# Altium PCB DIO-BNC.PCBDOC (part 2 of 3)
Units mil, origin at the board's own origin, x right, y up, seen from the top; angles counter-clockwise.
Board outline 2496.06 x 3937 mil, 4 copper layers (TopLayer, Internal Plane 2, Internal Plane 1, BottomLayer), stack 65.476 mil thick; 236 components, 132 nets, 813 pads, 428 vias.
Unrouted connection lines stored in the file: 1.
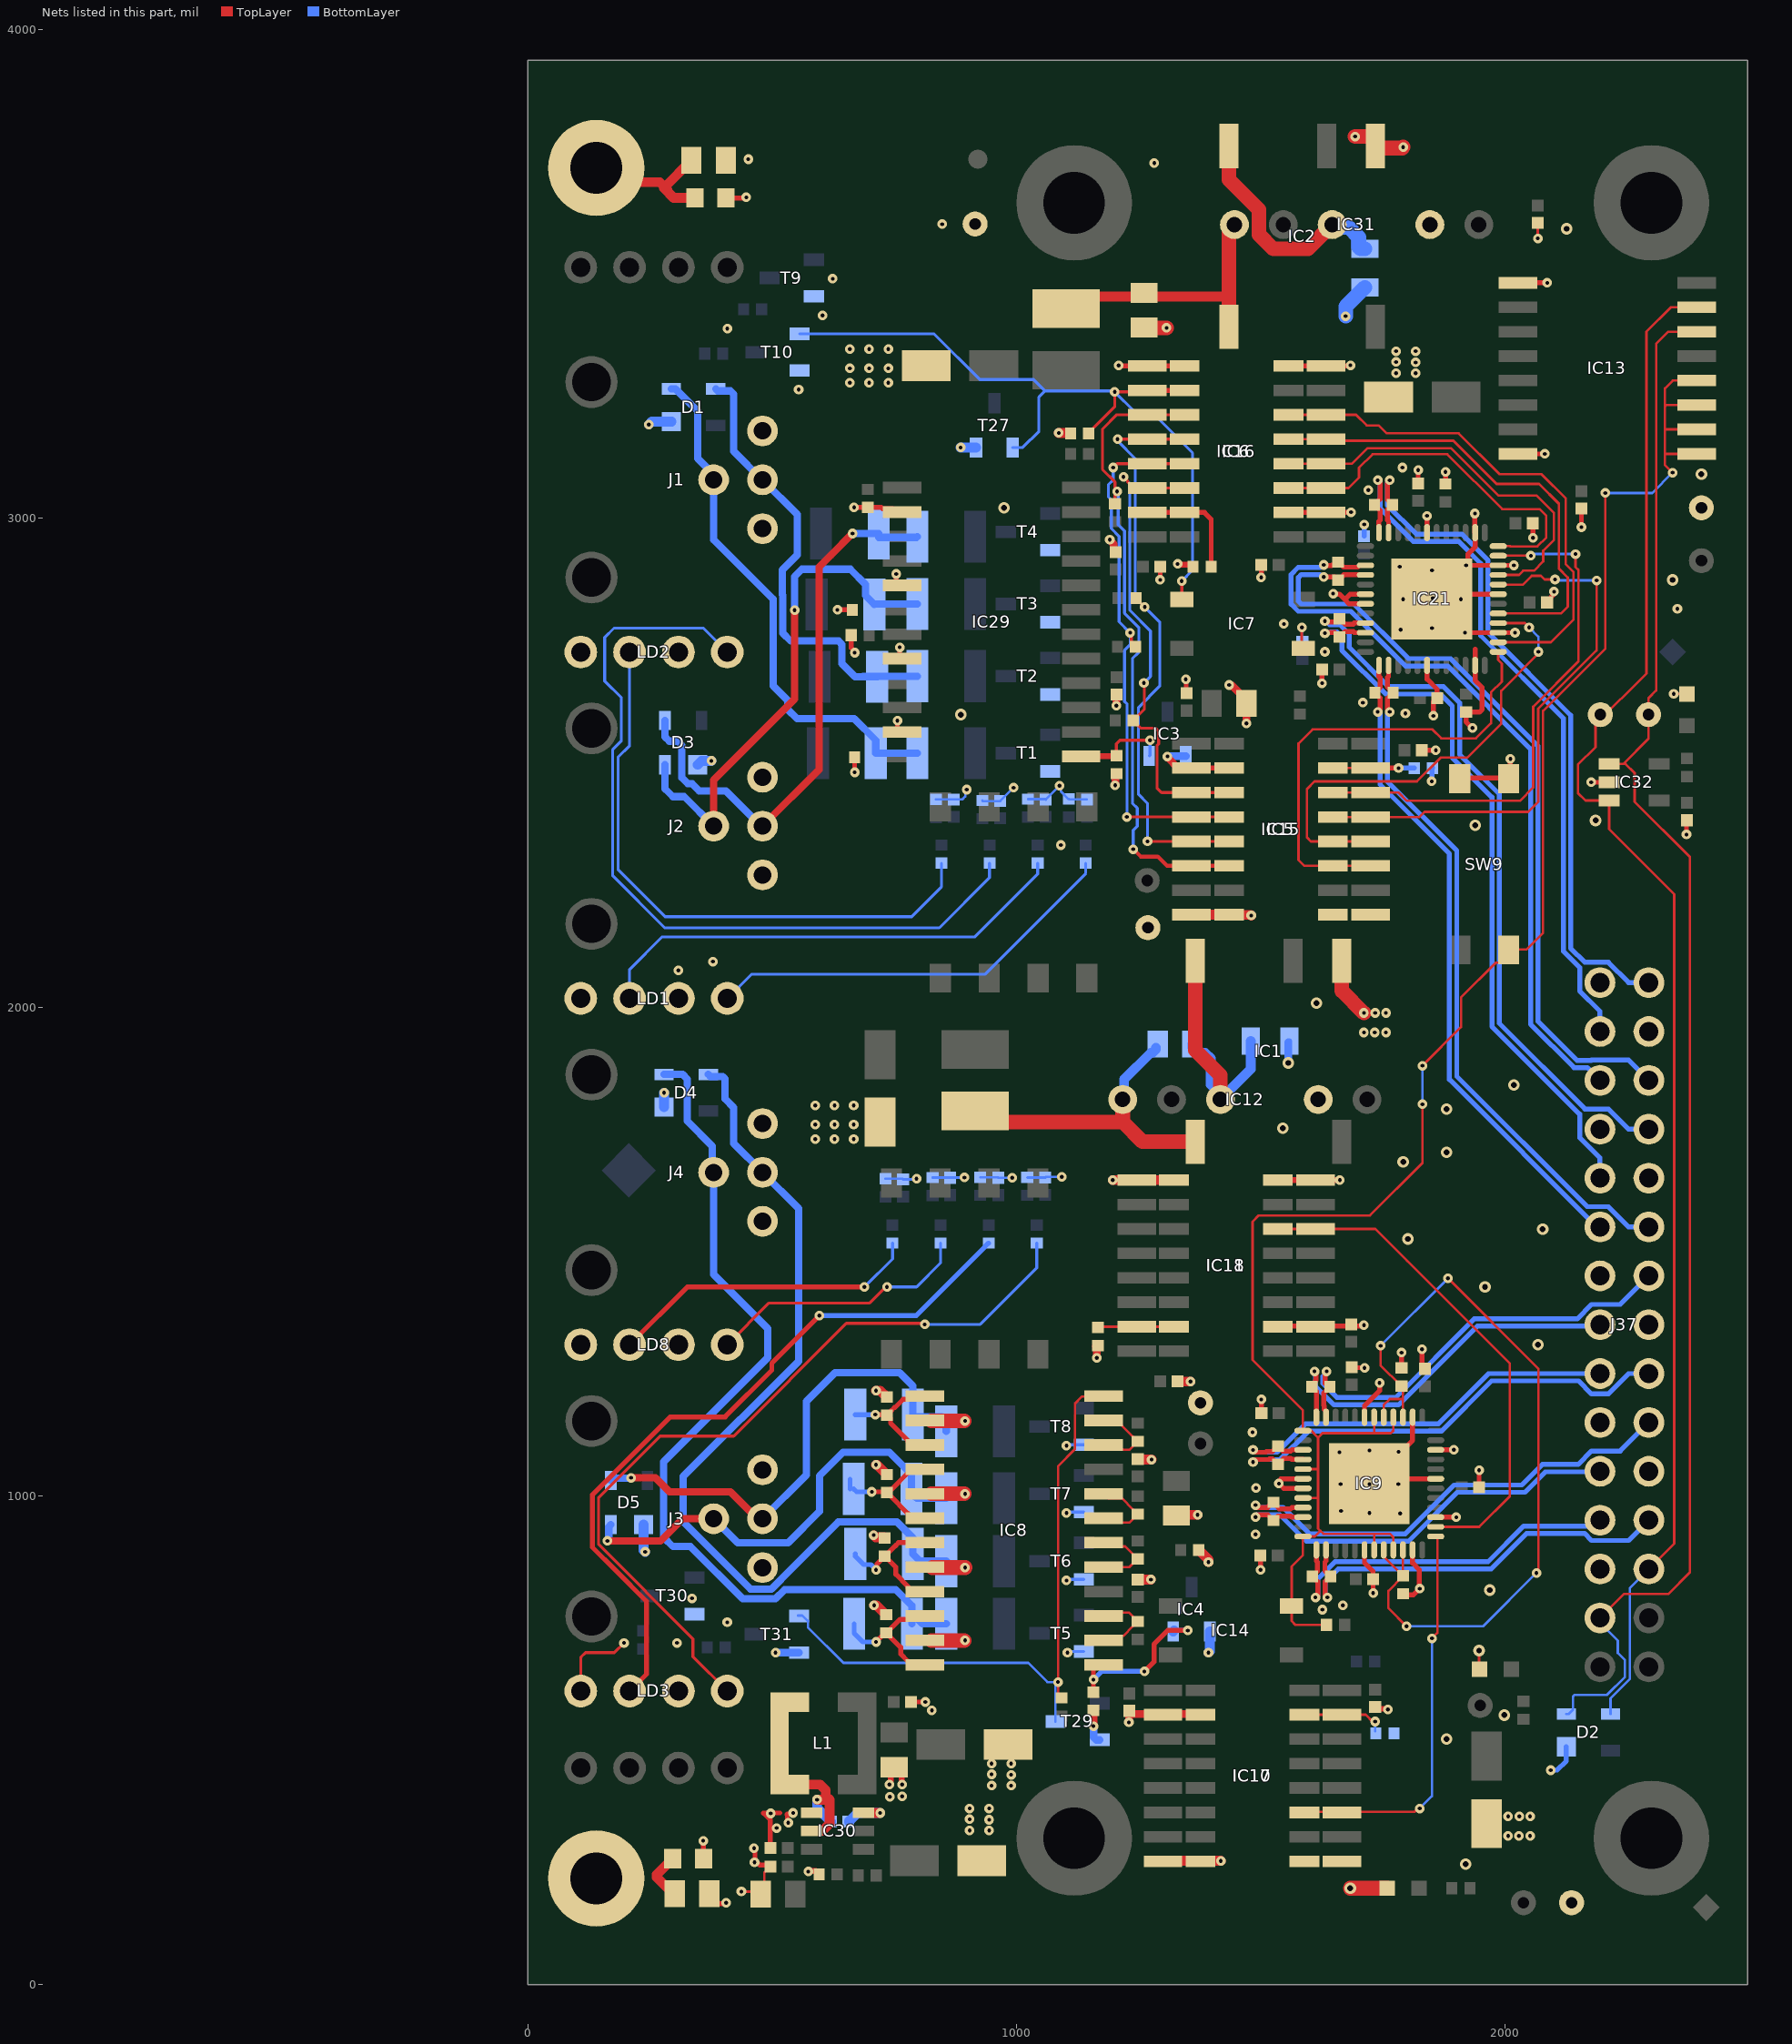
[diagram p4: the nets of this part, all layers, seen from the top]

## Via types
v1: diameter 19.68, hole 7.87, TopLayer to BottomLayer, tented both sides, 351 vias
v2: diameter 19.68, hole 7.87, TopLayer to BottomLayer, 53 vias
v3: diameter 23.62, hole 11.81, TopLayer to BottomLayer, tented both sides, 24 vias

## Nets (pads, with @x,y where several pads share a name; then routed paths per layer and width w, separated by ;. In a path a pad name is that pad's centre, name@x,y a point inside that pad or via, vN(x,y) a via of type N, cw(c..) or ccw(c..) an arc to the next point about the centre after c; other vN are vias at no path point) (continued)
DIR_CTRL2: IC9.1 IC9.5 IC9.8 IC9.12 IC9.19 IC9.21 IC9.40 IC9.42 IC13.9 IC13.10 IC13.11 IC13.12 IC14.3 R55.1 SW9.2 | length 4046.7
  TopLayer w5: IC9.8@1586.17,995.47 1616.53,995.47 1617,995 ; IC9.5@1586.17,1054.53 1615.47,1054.53 1617,1053 ; R55.1@1634.6,735.81 1570.95,735.81 1563.02,743.74 IC14.3@1563.02,774.39 1563.02,855.46 1586.17,878.62 IC9.12@1586.17,916.73 1610.73,916.73 1622,928 ; IC9.19@1731.84,889.17 1731.84,921.84 1732,922 ; IC9.42@1731.84,1160.83 1731.84,1129.84 1730,1128 ; IC9.21@1771.21,889.17 1771.21,914.79 1764,922 1732,922 ; IC9.40@1771.21,1160.83 1771.21,1133.21 1766,1128 1730,1128 ; v1(1830.71,1801.18) 1830.71,1680.73 1723.6,1573.62 1495.69,1573.62 1483,1560.94 1483,1278 1586.17,1174.83 IC9.1@1586.17,1133.27 1602.73,1133.27 1617,1119 ; v1(1830.71,1879.92) 1909.63,1958.84 1909.63,2019.43 1981.11,2090.91 1987.85,2090.91 2007,2110.06 SW9.2@2007,2116.8 2008.31,2118.11 2044.05,2118.11 2077.5,2151.56 2077.5,2606.32 2205,2733.82 v1(2205,3052) ; v1(2342.52,3093.48) 2327,3109 2327,3134 ; IC13.9@2392.07,3132 2329,3132 2327,3134 ; IC13.10@2392.07,3182 2328,3182 2327,3183 ; IC13.11@2392.07,3232 2330,3232 2327,3229 ; IC13.12@2392.07,3282 2343,3282 2327,3266 2327,3229 ; 1617,995 1617,1053 ; 1617,995 1617,933 1622,928 ; 1617,1053 1617,1119 ; 1617,1119 1626,1128 1730,1128 ; 1622,928 1628,922 1732,922 ; 2327,3134 2327,3183 ; 2327,3183 2327,3229
  BottomLayer w5: v1(1830.71,1801.18) v1(1830.71,1879.92) ; v1(2205,3052) 2301.04,3052 v1(2342.52,3093.48)
GND: B1.1 B2.1 B4.1 C5.2 C6.2 C14.1 C15.1 C16.1 C17.1 C18.2 C19.1 C20.1 C21.1 C22.1 C23.1 C24.1 C33.1 C34.2 C35.1 C36.2 C37.1 C38.1 C53.1 C54.1 C55.1 C56.1 C69.1 C70.1 C71.2 C72.1 C73.1 C74.1 C75.1 D2.1 IC1.1 IC2.1 IC5.9 IC6.2 IC6.8 IC9.6 IC9.7 IC9.18 IC9.23 IC9.27 IC9.31 IC9.34 IC9.38 IC9.43 IC9.49 IC10.9 IC11.2 IC11.8 IC12.2 IC13.1 IC13.8 IC15.9 IC16.2 IC16.8 IC17.9 IC18.2 IC18.8 IC21.6 IC21.7 IC21.18 IC21.23 IC21.27 IC21.31 IC21.34 IC21.38 IC21.43 IC21.49 IC30.1 IC31.2 IC32.2 J37.1 J37.4 J37.7 J37.10 J37.13 J37.16 J37.19 J37.22 J37.25 LD4.1 LD7.1 LD9.1 R18.2 R24.1 R25.2 R34.1 R35.1 R40.2 R46.2 R138.2 R152.2 R157.2 R171.2 SW9.3 SW9.4 | length 4299.9
  TopLayer w5: v1(437,190) 471.57,190 C75.1@476.57,185 484,192.43 484,228.72 C35.1@490.7,235.42 ; v1(2345,2641) 2345.25,2640.75 LD9.1@2372.05,2640.75
  TopLayer w6: LD7.1@1946.72,640.61 v3(1946.72,683.16) ; v1(2066.93,3572.83) C33.1@2066.93,3604.33
  TopLayer w10: v1(359,294) 359.53,293.47 R35.1@359.53,257.28 ; C6.2@371.34,186.09 392.43,165 408.85,165 406.85,167 v1(406,167) ; R34.1@405.5,3655.7 445.86,3655.7 v1(447.15,3657) ; v1(463,279) 464.85,277.15 464.85,251.77 468.47,248.15 470.85,248.15 474.94,244.06 493.22,244.06 C35.1@496.28,241 496.01,241 C35.1@490.57,235.56 ; C74.1@496.28,279 496.28,336.72 482.5,350.5 496,350.5 496.5,351 516,351 ; v1(533,331) 533,333.62 531,335.62 531,346.67 530,347.67 531,348.67 540.67,348.67 v1(543,351) ; C73.1@744,438.88 C73.1@744,455.88 ; C21.1@784,578 817.28,578 v1(813.53,578) ; v1(1499.28,848.28) C69.1@1499.28,878 ; v1@1500.66,2875 v1@1501.16,2875.5 ; v1(1501,1197.19) 1501.14,1197.05 1501.14,1169.14 C70.1@1501.28,1169 ; v1@1501.16,2879.5 C53.1@1501.16,2904.6 ; IC11.2@1535.7,1346 1537.27,1347.58 1709.42,1347.58 v2(1711,1349.16) ; IC6.2@1556.79,3012 1684.01,3012 v2(1684.61,3012.6) ; IC6.8@1556.79,3312 1682.26,3312 v2(1683.46,3313.2) ; IC9.7@1586.17,1015.16 1546.84,1015.16 v1(1537,1025) 1540.91,1034.84 IC9.6@1586.17,1034.84 ; v1@1625.28,2658.72 C15.1@1625.28,2691 ; v1(1648.09,2845.95) 1647.97,2845.83 1647.97,2845 1661,2845 1672,2834 ; C72.1@1686,1262.72 1686.61,1262.11 1711.55,1262.11 v1(1712.16,1261.5) ; IC9.18@1712.16,889.17 1712.16,862.84 1729.72,845.28 C24.1@1729.72,829 1729.86,828.86 1729.86,800.95 v1(1730,800.81) ; IC9.43@1712.16,1160.83 1712.16,1184.16 1743,1215 v1(1743,1231) ; IC21.7@1714.17,2825.16 1680.84,2825.16 1672,2834 ; IC21.6@1714.17,2844.84 1682.84,2844.84 1672,2834 ; IC9.49@1722,1025 IC9.49@1731.84,1034.84 ; R157.2@1788,797 1812,797 v1(1825,810) 1824.16,810.84 1824.16,848.84 1810.58,862.42 IC9.23@1810.58,889.17 ; R171.2@1788,1261.5 v1(1788,1293) ; IC9.38@1810.58,1160.83 1810.58,1113.58 IC9.49@1731.84,1034.84 ; C55.1@1822,3071.72 v1(1822,3099) ; C16.1@1829.63,2525.59 v2(1858,2525.59) ; v1(1830,1300) 1830,1265.72 C20.1@1836,1259.72 ; IC21.18@1840.16,2699.17 1840.16,2670.84 1860.72,2650.28 C54.1@1860.72,2632 1853,2624.28 v1(1853,2596) ; IC21.43@1840.16,2970.83 v1(1840.16,3005.16) ; IC31.2@1843.28,3598.28 IC31.2@1846,3601 ; IC21.49@1850,2835 v1(1852,2837) 1859.84,2844.84 IC21.31@1985.83,2844.84 ; IC9.27@1857.83,956.1 v1(1899.9,956.1) ; IC9.31@1857.83,1034.84 IC9.49@1731.84,1034.84 ; IC9.34@1857.83,1093.9 v1(1895.1,1093.9) ; R138.2@1878,3070.5 v1(1878,3095) ; SW9.4@1907,2467.2 1908.31,2468.5 SW9.3@2007,2468.5 ; IC21.49@1918,2766.1 IC21.27@1985.83,2766.1 v1(2020.1,2766.1) ; IC21.49@1920,2903.9 IC21.34@1985.83,2903.9 v1(2017.9,2903.9) ; v1(1920,2904) 1923.9,2907.9 1923.9,2926.82 1938.58,2941.5 IC21.38@1938.58,2970.83 1938,2971.41 v1(1938,3010) ; v1(1933,2571) 1920,2584 R152.2@1920,2603.5 1947.5,2603.5 1953,2609 1953,2654 1938.58,2668.42 IC21.23@1938.58,2699.17 1938.58,2731.87 ; C23.1@1946.72,1017 v1(1946.72,1052.28) ; SW9.3@2007,2467.2 2010.61,2470.81 v1(2010.61,2507.87) ; IC13.8@2025.93,3132 v1(2081,3132) ; IC13.1@2025.93,3482 v1(2086,3482) ; C19.1@2056.72,2990 2056.72,2960.28 v1(2057,2960) ; C56.1@2085.72,2828 2085.72,2830.72 2100,2845 v1(2100,2850) ; v1(2156,2982) C38.1@2156,3020.28 ; v1(2176,2460) IC32.2@2212.82,2460 ; v1(2371,2353) C37.1@2371,2389.82
  TopLayer w11.81: v1(574,231) 575,232 589,232 589.7,231.3 590.49,231.3 596,225.79 R24.1@596,225 ; v1@743,416 743,437.88 744,438.88 C73.1@749.69,444.57 ; v1@765,415 C73.1@765,436.88 ; IC11.8@1535.7,1646 v2(1661.68,1646) ; C22.1@1734,567.81 1737.62,564.19 1758.42,564.19 v2(1759.93,562.69)
  TopLayer w30: IC1.1@1665.75,2094.49 1665.75,2033.25 v1(1711,1988) ; v3(1683.07,196.85) LD4.1@1758.86,196.85 ; v1(1692.91,3781.28) 1720.69,3781.28 1734.65,3767.32 IC2.1@1734.65,3761.87 ; IC2.1@1734.65,3757.87 1789.37,3757.87 v1(1791.34,3759.84)
  BottomLayer w10: v1(406,167) v1@406.31,167.31 ; C14.1@1711.44,2963.72 v2(1711.44,2987.53) ; v2(1849.72,2461.91) 1850.42,2462.6 1850.42,2488.3 R46.2@1851.11,2489 ; v1(2093,438.37) 2105.97,438.37 2125,457.41 D2.1@2125,486.45
  BottomLayer w11.81: R25.2@1556.03,1928.26 R25.2@1558.18,1930.41
  BottomLayer w15.75: v3(1556.03,1885.68) R25.2@1556.03,1928.26
  BottomLayer w30: v1(1673.65,3413.72) 1673.65,3433.41 R18.2@1713.02,3472.78
  other v1: 464,250 2006,304 2028,304 2051,304 904,315 944,315 509,320 944,337 904,338 2006,344 2029,344 2051,344 497,350 904,360 944,360 741,384 766,385 949,407 989,407 740,409 766,409 989,429 949,430 949,452 989,452 826.81,560.96 1626,767 1668,776 1489,921 1785,964 1722.44,964.57 1664,969 1490,1016 1663.39,1023.62 1722.44,1023.62 1781.5,1023.62 1661,1089 1782,1090 1722.44,1092.52 1483,1130 1711,1948 1733,1948 1756,1948 1734,1988 1756,1988 1795.79,2600.72 1709,2623 1625.28,2662.72 1631.11,2727 1918,2766 1786,2772 1850.39,2775.59 1547.24,2784 2352.36,2814.96 1791.34,2834.65 1909.45,2834.65 1500.66,2879 1850.39,2893.7 1784,2901 1719.86,3058 1790,3104 1776.94,3297.11 1816.94,3297.11 1816.94,3319.11 1776.94,3320.11 1776.94,3342.11 1816.94,3342.11 848,3602 1282,3727 451.06,3735
  other v3: 1919.29,246.06 1879.92,501.97 1998.03,551.18 1968.5,807.09 2066.93,1309.06 1958.66,1427.17 1801.18,1525.59 2076.77,1545.28 1791.34,1683.07 1879.92,1702.76 1545.28,1751.97 1879.92,1791.34 2017.72,1840.55 1614.17,2007.87 1938.98,2372.05 2185.04,2381.89 2342.52,2874.02 2401.57,3090.55 2125.98,3592.52
GND_ISO1: B10.1 C1.1 C2.1 C7.1 C8.1 C9.1 C10.1 C48.1 C49.1 C50.1 C51.1 C52.2 D1.1 D3.1 IC2.7 IC3.1 IC5.2 IC5.8 IC6.9 IC15.2 IC15.8 IC16.9 IC29.2 IC29.5 IC29.8 IC29.11 IC31.4 J1.1 J1.3 J2.1 J2.3 LD1.1 LD1.3 LD2.1 LD2.3 R12.1 R18.1 R36.1 R37.1 R38.1 R39.1 R47.1 R48.1 R140.1 R143.1 R146.1 R149.1 T1.2 T2.2 T3.2 T4.2 T9.2 T10.2 T27.2 | length 1902.7
  TopLayer w5: v1(1329.7,2906.89) v1@1330.58,2906
  TopLayer w10: v1(633.5,2812.89) R146.1@664.22,2812.89 ; R143.1@661.56,2761.01 661.56,2735.13 668.86,2727.83 v1(668.86,2725.21) ; v2(667.68,3022.5) R149.1@696,3022.5 723.2,3022.5 726,3019.7 746.93,3019.7 753.74,3012.89 IC29.2@756.36,3012.89 ; v1(668.86,2480.39) R140.1@668.86,2510.89 ; v2(753.88,2886.24) 753.88,2869.7 760.69,2862.89 IC29.5@766.29,2862.89 ; IC29.8@755.36,2713.89 756.36,2712.89 IC29.8@766.29,2712.89 761,2718.18 v2(761,2736.24) ; v2(756.36,2586.24) 756.36,2569.7 763.17,2562.89 IC29.11@766.29,2562.89 ; v2@1216.57,3312 IC6.9@1344.19,3312 ; v1@1294.08,2880.17 C49.1@1294.08,2900.89 ; v1(1346.46,2670.7) 1347.18,2669.98 1347.18,2642.72 C48.1@1347.9,2642 ; IC5.2@1384,2491 1381.92,2491 1379.92,2489 IC15.2@1435,2489
  TopLayer w12: v1@1330.58,2906 1331.17,2905.42 1357,2905.42 R47.1@1361.42,2901
  TopLayer w15.75: v2(1190.94,2956.3) 1190.94,2955.24 1199,2947.18 1199,2934.94 C51.1@1203.33,2930.61 ; v2(1201.89,2453.96) 1202.64,2454.72 1202.64,2475.64 R12.1@1204.5,2477.5 ; v2@1204.5,2621.65 C50.1@1204.5,2639.76 ; v2(1309.02,2512.89) 1309.77,2512.14 1309.77,2509.9 1330.67,2489 IC5.2@1358.23,2489 ; v2(1435,2659.06) 1435.75,2658.3 1440.67,2658.3 1470.43,2628.54 v2(1470.43,2580.54)
  TopLayer w20: v1(1086.5,3174.79) 1109.85,3174.79 R48.1@1110.64,3174 ; IC5.8@1381.92,2189 IC15.8@1435,2189 1435.52,2188.48 1479.23,2188.48 v1(1480.28,2187.44)
  TopLayer w30: C1.1@1261.42,3390.57 1262.22,3389.76 v1(1307.09,3389.76) ; IC2.7@1434.65,3761.87 1434.65,3693.31 1496.47,3631.48 1496.47,3580.49 1525.48,3551.47 1596.47,3551.47 IC31.4@1646,3601
  BottomLayer w5: R39.1@835.09,2424.87 888.88,2424.87 895.19,2431.18 895.19,2442.19 v1(898,2445) ; R38.1@930.32,2422.59 931.34,2421.57 C9.1@966.6,2421.57 993.85,2448.82 v1(994.09,2448.82) ; R37.1@1023.62,2425.59 1058.62,2425.59 C8.1@1059.91,2424.3 1088,2452.4 v1(1088,2452.81) 1090.81,2450 1090.81,2441.37 1106.31,2425.87 R36.1@1107.09,2425.87 1108.17,2424.8 C7.1@1144.09,2424.8
  BottomLayer w15.75: v2(1309.02,2512.89) 1309.46,2513.33 1346.01,2513.33 IC3.1@1346.46,2513.78
  BottomLayer w20: v1(247.41,3192.11) 253.44,3198.14 D1.1@293.99,3198.14 ; D3.1@347.61,2495.87 355.5,2503.76 v1(375.71,2503.76) ; v1(885.83,3144.99) T27.2@917.32,3144.99
  BottomLayer w30: IC31.4@1646,3601 1651.56,3595.44 1679.94,3595.44 1700.46,3574.92 1700.46,3555.22 1704.16,3551.52 R18.1@1713.02,3551.52
  other v1: 308.27,2075.05 378.67,2093.01 1090.81,2331.5 1294.08,2874.17 554.34,3263.49 658.98,3277.56 698.35,3277.56 737.72,3277.56 658.98,3307.09 698.35,3307.09 737.72,3307.09 658.98,3346.46 698.35,3346.46 737.72,3346.46 408.32,3388.18 603,3415.42 624,3490.42
  other v2: 1204.5,2616.65 1208.84,3313.11
  other v3: 885.83,2598.43 974.41,3021.65
GND_ISO2: B12.1 C3.1 C4.1 C11.1 C12.1 C13.1 C25.1 C28.1 C29.1 C30.1 C31.1 C32.2 D4.1 D5.1 IC1.7 IC4.1 IC8.2 IC8.5 IC8.8 IC8.11 IC10.2 IC10.8 IC11.9 IC12.4 IC17.2 IC17.8 IC18.9 J3.1 J3.3 J4.1 J4.3 LD3.1 LD3.3 LD8.1 LD8.3 R19.1 R25.1 R41.1 R42.1 R43.1 R52.2 R53.1 R56.1 R159.1 R162.1 R165.1 R169.1 T5.2 T6.2 T7.2 T8.2 T29.2 T30.2 T31.2 | length 2392.7
  TopLayer w6: LD3.1@108.27,600.39 108.27,668 cw(c111.38,668) 109.17,670.2 ; 109.18,670.2 118.11,679.13 177.17,679.13 v1(196.85,698.82)
  TopLayer w15.75: v2(1157.5,528.5) R19.1@1157.5,561.02 ; v2@1164.31,1286.1 R52.2@1164.31,1306.03 ; v2@1229.98,538.26 1230.28,538.56 C28.1@1230.28,553.28 ; C28.1@1230.57,559.81 1237.1,553.28 IC10.2@1376.4,553.28
  TopLayer w20: v1@708.21,918.81 712.18,914.85 729.09,914.85 R162.1@730.5,913.43 ; v1(708.66,776) 713.21,776 732.71,756.5 R159.1@733.5,756.5 ; v1(712.6,1063.21) 714.5,1063.21 734.21,1043.5 R165.1@735,1043.5 ; v1(712.6,1215.21) 721.08,1215.21 R169.1@732.8,1203.5 ; R169.1@732.8,1203.46 734.21,1202.05 R169.1@735,1202.05 ; R52.2@1164.31,1306.03 1165.72,1307.45 R52.2@1166.51,1307.45 ; v2(1197.11,1646) IC11.9@1323.1,1646 ; C29.1@1248.03,828.56 v1(1275,828.56) ; C30.1@1248.09,1075.24 1249.34,1074 v1(1276.36,1074) ; IC17.8@1308.72,253.28 1417.65,253.28 v2(1418.16,252.77) ; C3.1@1327.35,959.57 1328.78,961 v1(1370.62,961) ; C31.1@1329.5,1233.9 v2(1356.3,1233.9) ; R53.1@1373.01,889.17 1373.01,888.39 1374.43,886.97 1375.21,886.97 1392.8,869.39 v1(1392.8,864.11)
  TopLayer w30: IC8.11@826.26,704 v1@893,704 ; IC8.5@826.26,1004 v1@893,1004 ; IC8.2@826.26,1153 v1@893,1153 ; IC8.8@828.04,853 v1(894.78,853) ; IC1.7@1365.75,2094.49 1365.75,1911.81 1417.32,1860.24 IC12.4@1417.32,1811.02
  BottomLayer w5: R43.1@731.94,1648.64 766.87,1648.64 C25.1@767.94,1647.57 794.44,1647.57 v1(795.51,1648.64) ; R42.1@828.41,1651.22 v1(893.43,1651.22) ; R41.1@925.83,1651.79 961.76,1651.79 C12.1@962.83,1650.72 v1(991.17,1650.72) ; R56.1@1022.54,1651.28 C11.1@1059.04,1651.28 1060.16,1652.4 v1(1092.52,1652.4)
  BottomLayer w6: v1(305.12,698.82) v1@308.27,695.67 ; v1(1102.36,826.77) 1104.33,828.74 T6.2@1137.8,828.74 ; v1(1102.36,964.57) 1104.33,966.54 T7.2@1137.8,966.54 ; v1(1102.36,1102.36) 1104.33,1104.33 T8.2@1137.8,1104.33 ; v1(1104.33,679.13) 1106.3,681.1 T5.2@1137.8,681.1
  BottomLayer w15.75: v1(507,679) 507.1,679.1 554.9,679.1 T31.2@555,679.2 ; v2(1157.5,528.5) 1158.25,527.75 1158.25,505.52 1163.17,500.6 T29.2@1170.43,500.6
  BottomLayer w20: D5.1@236.95,940.93 236.95,888.41 v1(240,885.36) ; D4.1@278.92,1795.18 v1(278.92,1824.71) ; C4.1@1359.95,1924.38 1359.95,1917.49 1370.62,1906.82 1385.92,1906.82 1397.64,1895.11 1397.64,1841.28 1417.32,1821.59 IC12.4@1417.32,1811.02 1479.44,1873.14 R25.1@1479.44,1930.41 ; v1(1392.8,679.13) 1395.67,682.01 IC4.1@1395.67,722.44
  other v1: 894.78,704 408.21,741.07 336.21,790.07 707.67,919.36 894.78,1004 894.78,1153 588.23,1729.87 627.6,1729.87 666.97,1729.87 588.23,1759.4 627.6,1759.4 666.97,1759.4 588.23,1798.77 627.6,1798.77 666.97,1798.77
  other v2: 1229.98,536.26 1164.49,1282.28
GNDIC5: IC5.15 IC15.15 R46.1 | length 166.5
  TopLayer w5: IC15.15@1647.6,2489 IC5.15@1724.37,2489
  TopLayer w10: IC5.15@1724.37,2489 v2(1781.91,2489)
  BottomLayer w10: v2(1781.91,2489) R46.1@1814.11,2489
GNDIC6: IC6.15 IC16.15 R47.2 | length 233.9
  TopLayer w10: IC16.15@1267.42,3012 IC6.15@1344.19,3012 1384.6,3012 1398.43,2998.18 R47.2@1398.43,2901
GNDIC17: IC10.15 IC17.15 R40.1 | length 171.2
  TopLayer w5: IC10.15@1589,552 IC17.15@1666,552 1714.8,552 1729.33,537.47 1733.47,537.47 v1(1734,538)
  BottomLayer w5: R40.1@1734,518 v1(1734,538)
GNDIC18: IC11.15 IC18.15 R52.1 | length 157.2
  TopLayer w5: R52.1@1166.51,1344.46 1168.06,1346 1246.33,1346 IC11.15@1323.1,1346
I2C_SCL: B8.1 D2.2 IC13.14 IC32.1 J37.27 | length 3255.4
  TopLayer w5: J37.27@2194,750 2243,799 2334,799 2378,843 2378,2307 2265,2420 2265,2479 2246.6,2497.4 2241.5,2497.4 ; IC32.1@2212.82,2497.4 2241.5,2497.4 ; IC13.14@2392.07,3382 2334,3382 2309,3357 2309,2647.64 2293.31,2631.94 B8.1@2293.31,2598.43 2293.31,2549.21 2241.5,2497.4
  BottomLayer w5: D2.2@2125,553.38 2129.69,553.38 2139,562.69 2139,589.65 2141.93,592.58 2208.61,592.58 2245.01,628.98 2245.01,663.7 2230.39,678.32 2230.39,703.56 2194,739.94 J37.27@2194,750
I2C_SDA: B7.1 D2.3 IC13.15 IC32.3 J37.26 | length 3174.4
  TopLayer w5: J37.26@2294,850 2346,902 2346,2230.77 2212.82,2363.95 IC32.3@2212.82,2422.6 2164.4,2422.6 2149,2438 2149,2496 2185,2532 2185,2578.7 2289,2682.7 2289,3382 2339,3432 IC13.15@2392.07,3432
  BottomLayer w5: D2.3@2215.55,553.38 2215.55,585.38 2255.01,624.84 2255.01,811.01 J37.26@2294,850
IO0: D1.2 J1.4 R13.1 R139.2 | length 1077.2
  BottomLayer w15: D1.2@293.99,3265.07 301.86,3265.07 325.99,3240.94 326.47,3240.94 347.61,3219.79 347.61,3122.64 380.31,3089.94 J1.4@380.31,3078.98 380.31,2956.3 501.97,2834.65 501.97,2657.48 532,2627.45 532,2609 551,2590 668,2590 712.06,2545.94 R13.1@712.06,2519.68 R139.2@797.24,2519.68
IO1: D1.3 J1.2 R14.1 R142.2 | length 961.7
  BottomLayer w15: D1.3@384.54,3265.07 388.85,3260.76 414.48,3260.76 420.92,3254.32 420.92,3137.29 479.23,3078.98 J1.2@480.31,3078.98 551.18,3008.12 551.18,2925 521,2894.82 521,2843.9 521.97,2842.93 521.97,2765.03 538,2749 636,2749 643,2742 643,2703 670,2676 R14.1@715.06,2676 ; 686,2677.17 R142.2@797.24,2677.17
IO2: D3.2 J2.4 R15.1 R145.2 | length 1061.2
  TopLayer w15: J2.4@380.31,2370.32 380.31,2464.31 546,2630 v1(546,2812)
  BottomLayer w15: D3.2@280.68,2495.87 281.06,2495.49 281.06,2446.41 296.92,2430.55 320.09,2430.55 J2.4@380.31,2370.32 ; v1(546,2812) 546,2881 561,2896 660,2896 691,2865 691,2842.06 R15.1@708.25,2824.8 ; R15.1@709.06,2824 R15.1@708.25,2824.8 ; R145.2@797.24,2824.8 R15.1@708.25,2824.8
IO3: D3.3 J2.2 R16.1 R148.2 | length 1156
  TopLayer w15: J2.2@480.31,2370.32 596,2486.01 596,2900.6 620.08,2924.68 v1(664.4,2969)
  BottomLayer w15: D3.3@280.68,2586.42 280.68,2552.9 289.47,2544.12 306.64,2544.12 315.43,2535.33 315.43,2469.11 327.57,2456.97 336.15,2456.97 350.81,2442.31 405.26,2442.31 477.24,2370.32 J2.2@480.31,2370.32 ; v1(664.4,2969) R16.1@718.06,2969 ; R16.1@718.06,2961.05 795.7,2961.05 R148.2@797.24,2962.6
IO4: D4.2 J4.4 R20.1 R158.2 | length 1842.7
  BottomLayer w15: 278,914 278,1069.28 491,1282.28 491,1342.18 380.31,1452.87 J4.4@380.31,1661.66 377.69,1664.28 377.69,1715.66 326.38,1766.97 326.38,1852.66 316.93,1862.11 D4.2@278.92,1862.11 ; 279,914 297,896 333,896 440,789 506.82,789 525.82,808 753,808 786.06,774.94 R20.1@786.06,759.22 ; R20.1@786.06,738 R20.1@786.06,759.22 ; R158.2@856.3,738.19 807.09,738.19 R20.1@786.06,759.22
IO5: D4.3 J4.2 R21.1 R161.2 | length 1809.4
  BottomLayer w15: D4.3@369.47,1862.11 373.78,1857.8 398.78,1857.8 403.25,1853.32 403.25,1812.51 421.24,1794.52 421.24,1721.23 480.31,1662.16 J4.2@480.31,1661.66 554,1587.97 554,1275.39 318,1039.39 318,947 456,809 498.54,809 518.77,829.23 518.77,829.77 635.65,946.65 755.35,946.65 788.06,913.94 R21.1@788.06,881 802.91,866.14 R161.2@856.3,866.14
IO6: D5.2 J3.4 R22.1 R164.2 | length 946.9
  TopLayer w15: v1(162.77,907.7) 271.76,907.7 317.06,953 J3.4@380.31,953
  BottomLayer w15: v1(162.77,907.7) 162.77,908.97 165.71,911.91 165.71,936.62 D5.2@170.02,940.93 ; J3.4@380.31,953 429.31,904 533,904 596.69,967.69 596.69,1040.69 645,1089 688,1089 740,1089 785.06,1043.94 R22.1@785.06,1014 ; R22.1@781.2,1010.14 796.34,995 R164.2@856.3,995
IO7: D5.3 J3.2 R23.1 R168.2 | length 1037.9
  TopLayer w15: v1(211.25,1036.73) 261.17,1036.73 289.91,1008 414.36,1008 469.36,953 J3.2@480.31,953
  BottomLayer w15: D5.3@170.02,1031.48 174.33,1035.84 210.36,1035.84 v1(211.25,1036.73) ; J3.2@486.66,946.65 J3.2@480.31,953 570,1042.69 570,1192.94 629.06,1252 761,1252 788.06,1224.94 R23.1@788.06,1166 ; R23.1@788.06,1161.42 846.46,1161.42 856.3,1151.57 R168.2@856.3,1131.89
LED0: LD2.2 R1.2 | length 1230.3
  BottomLayer w6: LD2.2@208.27,2726.38 208.27,2534.73 184.7,2511.16 184.7,2281.4 281.06,2185.04 785.75,2185.04 846.46,2245.75 R1.2@846.46,2294.49
LED1: LD2.4 R2.2 | length 1675.9
  BottomLayer w6: LD2.4@408.27,2726.38 359.27,2775.38 176.37,2775.38 157.5,2756.51 157.5,2666.97 191.46,2633 191.46,2544.76 173.7,2527 173.7,2268.3 279.93,2162.07 842.02,2162.07 944.88,2264.93 R2.2@944.88,2294.49
LED2: LD1.2 R3.2 | length 997.5
  BottomLayer w6: LD1.2@208.27,2017.72 208.27,2076.97 275.02,2143.72 914.84,2143.72 1043.31,2272.18 R3.2@1043.31,2294.49
LED3: LD1.4 R4.2 | length 860.3
  BottomLayer w6: LD1.4@408.27,2017.72 457.48,2066.93 935.04,2066.93 1141.73,2273.62 R4.2@1141.73,2294.49
LED4: LD8.2 R5.2 | length 643.1
  TopLayer w10: LD8.2@208.27,1309.06 326.38,1427.17 v1(688.98,1427.17)
  BottomLayer w6: v1(688.98,1427.17) 746.3,1484.49 R5.2@746.3,1516.93
LED5: LD8.4 R7.2 | length 546.3
  TopLayer w6: LD8.4@408.27,1309.06 493.71,1394.5 699.54,1394.5 732.21,1427.17 v1(735,1427.17)
  BottomLayer w6: v1(735,1427.17) 795.51,1427.17 844.72,1476.38 R7.2@844.72,1516.93
LED6: LD3.2 R9.2 | length 1495.3
  TopLayer w10: LD3.2@208.27,600.39 243,635.13 243,783.86 179.76,847.09 131.93,894.93 131.93,1001.73 291.61,1161.42 403.71,1161.42 499.27,1256.98 499.27,1271.42 v1(596.69,1368.84)
  BottomLayer w10: v1(596.69,1368.84) 795.06,1368.84 935.94,1509.72 935.94,1510.51 942.36,1516.93 R9.2@943.15,1516.93
LED7: LD3.4 R11.2 | length 1648.5
  TopLayer w6: LD3.4@408.27,600.39 337.96,670.7 337.96,707.28 144.93,900.31 144.93,996.35 270.65,1122.07 421.28,1122.07 651.91,1352.7 810.32,1352.7 v2(812.29,1350.73)
  BottomLayer w6: v2(812.29,1350.73) 925.77,1350.73 1041.57,1466.54 R11.2@1041.57,1516.93
LVDS0_N: IC21.48 J37.3 R141.2 | length 1491.7
  TopLayer w10: v1(1739.16,3078) 1744,3073.16 1744,3039.5 R141.2@1732.5,3028 1744.07,3016.42 1744.07,2995.89 1741.73,2993.54 IC21.48@1741.73,2970.83
  BottomLayer w10: v1(1739.16,3078) 1741,3078 1744,3075 1744,3020.72 1811.91,2952.81 1904.98,2952.81 1949.89,2907.89 1949.89,2760.11 2119,2591 2119,2114.4 2152.51,2080.89 2152.51,2032.81 2194,1991.32 J37.3@2194,1950
LVDS0_P: IC21.47 J37.2 R141.1 | length 1478.4
  TopLayer w10: IC21.47@1761.42,2970.83 1761.42,2993.54 1759.07,2995.89 1759.07,3017.57 R141.1@1769.5,3028 1759,3038.5 1759,3073.16 v1(1763.84,3078)
  BottomLayer w10: v1(1763.84,3078) 1762,3078 1759,3075 1759,3026.94 1818.13,2967.81 1911.19,2967.81 1964.89,2914.11 1964.89,2766.32 2134,2597.21 2134,2120.61 2163.11,2091.5 2211.19,2091.5 2252.69,2050 J37.2@2294,2050
LVDS1_N: IC21.4 J37.6 R144.2 | length 1650.7
  TopLayer w10: v1(1628.61,2880.17) 1644.94,2880.17 1645.2,2879.91 1651.58,2879.91 R144.2@1658,2873.5 ; R144.2@1658.79,2873.5 1669.79,2884.5 1691.42,2884.5 1691.96,2885.05 1701.04,2885.05 1701.87,2884.21 IC21.4@1714.17,2884.21
  BottomLayer w10: v1(1628.61,2880.17) 1625.99,2880.17 1621.15,2885.02 1582.87,2885.02 1577,2879.14 1577,2830.66 1582.86,2824.8 1690.2,2824.8 1802,2713 1888.21,2713 2067,2534.21 2067,1971 2147,1891 2176.32,1891 2176.81,1891.5 2252.51,1891.5 J37.6@2294,1850
LVDS1_P: IC21.3 J37.5 R144.1 | length 1596
  TopLayer w10: v1(1628.61,2904.86) 1629.81,2903.67 1644.94,2903.67 1645.36,2904.09 1650.8,2904.09 1657.21,2910.5 1658.79,2910.5 1669.25,2900.05 1698.02,2900.05 1701.87,2903.9 IC21.3@1714.17,2903.9
  BottomLayer w10: v1(1628.61,2904.86) 1625.99,2904.86 1621.15,2900.02 1576.66,2900.02 1562,2885.36 1562,2824.45 1576.64,2809.8 1683.98,2809.8 1795.79,2698 1882,2698 2052,2528 2052,1964.79 2140.79,1876 2168,1876 J37.5@2194,1850
LVDS2_N: IC21.10 J37.9 R147.2 | length 1525.2
  TopLayer w10: v1(1631.11,2765.06) 1632.81,2766.75 1650.95,2766.75 1660.21,2757.5 1661.79,2757.5 1668.2,2763.91 1668.2,2764.7 1671.95,2768.44 1689.11,2768.44 1691.46,2766.1 IC21.10@1714.17,2766.1
  BottomLayer w10: v1(1631.11,2765.06) 1632.96,2766.91 1643.41,2766.91 1643.85,2767.36 1655.95,2767.36 1665.95,2757.36 1665.95,2730.05 1755.5,2640.5 1867.5,2640.5 1891.78,2616.22 1891.78,2510.57 1973,2429.35 1973,1960.4 2152.51,1780.89 2152.51,1732.81 2194,1691.32 J37.9@2194,1650
LVDS2_P: IC21.9 J37.8 R147.1 | length 1538.6
  TopLayer w10: v1(1631.11,2789.74) 1632.81,2788.05 1647.94,2788.05 1647.97,2788.09 1655.37,2788.09 1661.79,2794.5 1668.2,2788.09 1668.2,2787.3 1672.06,2783.44 1689.11,2783.44 1691.46,2785.79 IC21.9@1714.17,2785.79
  BottomLayer w10: v1(1631.11,2789.74) 1633.73,2789.74 1641.12,2782.36 1662.17,2782.36 1680.95,2763.57 1680.95,2736.26 1761.71,2655.5 1873.71,2655.5 1906.78,2622.43 1906.78,2516.78 1988,2435.56 1988,1966.61 2163.11,1791.5 2211.19,1791.5 2252.69,1750 J37.8@2294,1750
LVDS3_N: IC21.14 J37.12 R151.2 | length 1434.9
  TopLayer w10: IC21.14@1761.42,2699.17 1761.42,2676.46 1759.07,2674.11 1759.07,2654.43 R151.2@1770.5,2643 1759,2631.5 1759,2608.84 v1(1763.84,2604)
  BottomLayer w10: v1(1763.84,2604) 1759,2599.16 1759,2461.91 1901,2319.91 1901,1858.21 2167.72,1591.5 2211.19,1591.5 2252.69,1550 J37.12@2294,1550
LVDS3_P: IC21.13 J37.11 R151.1 | length 1352.8
  TopLayer w10: v1(1739.16,2604) 1744,2608.84 1744,2632.5 R151.1@1733.5,2643 1744.07,2653.58 1744.07,2674.11 1741.73,2676.46 IC21.13@1741.73,2699.17
  BottomLayer w10: v1(1739.16,2604) 1744,2599.16 1744,2455.69 1886,2313.69 1886,1852 2188,1550 J37.11@2194,1550
LVDS4_N: IC9.48 J37.15 R160.2 | length 799.5
  TopLayer w10: v1(1609.91,1254.46) 1609.91,1251.84 1613.08,1248.68 1613.08,1236.06 1610.91,1233.9 1610.91,1230.2 1604.5,1223.79 1604.5,1222.21 1613.73,1212.98 IC9.48@1613.73,1160.83
  BottomLayer w10: v1(1609.91,1254.46) 1611.77,1252.61 1611.77,1242.16 1612.26,1241.67 1612.26,1223.41 1649.66,1186 1782,1186 1943,1347 2191,1347 J37.15@2194,1350
LVDS4_P: IC9.47 J37.14 R160.1 | length 918.3
  TopLayer w10: IC9.47@1633.42,1160.83 1633.42,1173.13 1629.64,1176.91 1629.64,1184.01 1628.73,1184.92 1628.73,1209.94 1634.59,1215.8 1635.09,1215.8 1641.5,1222.21 1641.5,1224 1635.3,1230.2 1631.66,1230.2 1631.66,1251.08 1631.51,1251.23 1634.6,1254.32 v1(1634.6,1254.46)
  BottomLayer w10: v1(1634.6,1254.46) 1634.6,1251.84 1627.26,1244.5 1627.26,1229.62 1655.88,1201 1775.79,1201 1936.79,1362 2147.32,1362 2176.81,1391.5 2235.5,1391.5 J37.14@2294,1450
LVDS5_N: IC9.4 J37.18 R163.2 | length 1022.7
  TopLayer w10: v1(1484,1069.16) 1484,1070 1488,1074 1516.5,1074 1518,1075.5 1524,1075.5 R163.2@1535,1064.5 1547.06,1076.56 1561.11,1076.56 1563.46,1074.21 IC9.4@1586.17,1074.21
  BottomLayer w10: v1(1484,1069.16) 1488.84,1074 1539.21,1074 1597.21,1132 1869.21,1132 1972.21,1235 2150.32,1235 2176.81,1208.51 2211.19,1208.51 2252.69,1250 J37.18@2294,1250
LVDS5_P: IC9.3 J37.17 R163.1 | length 893.6
  TopLayer w10: v1(1484,1093.84) 1484,1093 1488,1089 1510.29,1089 1511.79,1090.5 1524,1090.5 R163.1@1535,1101.5 1544.95,1091.56 1561.11,1091.56 1563.46,1093.9 IC9.3@1586.17,1093.9
  BottomLayer w10: v1(1484,1093.84) 1488.84,1089 1533,1089 1591,1147 1863,1147 1966,1250 J37.17@2194,1250
LVDS6_N: IC9.10 J37.21 R166.2 | length 898.3
  TopLayer w10: v1(1489,956.16) 1493.84,961 1514,961 1525.5,949.5 R166.2@1526,949.5 1534.95,958.44 1561.11,958.44 1563.46,956.1 IC9.10@1586.17,956.1
  BottomLayer w10: v1(1489,956.16) 1489,958 1492,961 1539,961 1593,907 1802,907 1902,1007 2040.21,1007 2082.21,1049 2193,1049 J37.21@2194,1050
LVDS6_P: IC9.9 J37.20 R166.1 | length 1034.8
  TopLayer w10: v1(1489,980.84) 1493.84,976 1514,976 1524.5,986.5 1537.56,973.44 1561.11,973.44 1563.46,975.79 IC9.9@1586.17,975.79
  BottomLayer w10: v1(1489,980.84) 1489,979 1492,976 1545.21,976 1599.21,922 1795.79,922 1895.79,1022 2034,1022 2076,1064 2149.32,1064 2176.81,1091.5 2235.5,1091.5 J37.20@2294,1150
LVDS7_N: IC9.14 J37.24 R170.2 | length 871.5
  TopLayer w10: IC9.14@1633.42,889.17 1633.42,866.46 1631.07,864.11 1631.07,846.43 R170.2@1642.5,835 1631.5,824 1631.5,794 1633.5,792 v1(1636.34,792)
  BottomLayer w10: v1(1636.34,792) 1631.5,796.84 1631.5,823.5 1658,850 1971,850 2044,923 2162.32,923 2176.81,908.51 2252.51,908.51 J37.24@2294,950
LVDS7_P: IC9.13 J37.23 R170.1 | length 777.8
  TopLayer w10: v1(1611.66,792) 1614.5,792 1616.5,794 1616.5,824 R170.1@1605.5,835 1616.07,845.58 1616.07,864.11 1613.73,866.46 IC9.13@1613.73,889.17
  BottomLayer w10: v1(1611.66,792) 1616.5,796.84 1616.5,829.71 1651.79,865 1964.79,865 2037.79,938 2182,938 J37.23@2194,950
NetB13_1: B13.1 C5.1 R34.2 | length 317.4
  TopLayer w20: B13.1@140,3717 169,3688 270,3688 280.13,3677.87 ; 286,3672 280.13,3677.87 ; C5.1@334.74,3732.48 280.13,3677.87 ; R34.2@342.5,3655.7 298.3,3655.7 278.13,3675.87 280.13,3677.87
NetB14_1: B14.1 C6.1 R35.2 | length 101.9
  TopLayer w20: R35.2@296.53,257.28 264,224.75 264,219 296.91,186.09 C6.1@300.48,186.09
NetC1_2: C1.2 IC2.8 IC31.6 L2.2 | length 520
  TopLayer w20: L2.2@1101.89,3429.13 1126.5,3453.75 1253.73,3453.75 C1.2@1261.42,3461.43 1269.1,3453.75 1434.65,3453.75
  TopLayer w30: IC2.8@1434.65,3435.04 1434.65,3589.65 IC31.6@1446,3601
NetC4_2: C4.2 IC1.8 IC12.6 L3.2 | length 658.6
  TopLayer w30: L3.2@915.35,1787.4 937.8,1764.96 1217.32,1764.96 ; IC12.6@1217.32,1811.02 1217.32,1764.96 ; IC1.8@1365.75,1724.41 1257.87,1724.41 1217.32,1764.96
  BottomLayer w20: IC12.6@1217.32,1811.02 1220.33,1814.03 1220.33,1852.2 1274.95,1906.82 1278.41,1906.82 1285.12,1913.53 C4.2@1285.12,1917
NetC26_1: C26.1 IC30.6 | length 106.2
  TopLayer w20: IC30.6@687.15,351.4 687.55,351 v1(721,351)
  BottomLayer w20: C26.1@657,333 657,334.28 657.92,335.2 659.2,335.2 675,351 v1(721,351)
NetC26_2: C26.2 IC30.2 L1.1 | length 252.9
  TopLayer w20: L1.1@554.61,409 597.85,409 609.56,397.28 609.56,385.94 617.5,378 617.5,329.05 603.28,314.83 581.68,314.83 IC30.2@580.85,314 ; v1(592,378) 614,378
  BottomLayer w20: v1(592,378) 592,361.28 C26.2@620.28,333
NetIC3_2: IC3.2 IC29.13 R12.2 | length 201.5
  TopLayer w6: R12.2@1204.5,2514.5 1204.5,2538.75 1211.69,2545.94 v1(1273.23,2545.94)
  TopLayer w11.81: IC29.13@1132.43,2512.89 1133.24,2513.7 1203.69,2513.7 R12.2@1204.5,2514.5
  BottomLayer w6: IC3.2@1271.65,2513.78 1273.23,2515.35 v1(1273.23,2545.94)
NetIC4_2: IC4.2 IC8.13 R19.2 | length 358.9
  TopLayer w10: R19.2@1157.5,598.03 1157.5,647.19 1164.31,654 IC8.13@1178.43,654 ; v1(1261.77,640.61) 1281.37,660.21 1281.37,696.3 1309.45,724.39 v1(1350.36,724.39)
  BottomLayer w10: v1(1157.5,623.82) 1174.29,640.61 v1(1261.77,640.61) ; IC4.2@1322.68,724.39 v1(1350.36,724.39)
  BottomLayer w20: IC4.2@1320.87,722.44 1320.87,722.58 IC4.2@1322.68,724.39
NetIC5_3: IC5.3 IC6.14 IC15.3 IC16.14 R26.2 | length 1003.6
  TopLayer w6: v1(1219,3085) 1227.42,3076.58 1227.42,3074.44 1239.86,3062 IC16.14@1267.42,3062 IC6.14@1344.19,3062 ; v1(1260.7,2663.31) 1261.72,2662.29 1261.72,2609.71 1238.98,2586.96 R26.2@1238.98,2586.17 1238.98,2585.39 1247.39,2576.97 1248.18,2576.97 1254.46,2570.69 1285.12,2570.69 1291.07,2564.75 1291.07,2538.55 1287.53,2535.01 1287.53,2448.25 1296.78,2439 IC5.3@1358.23,2439 IC15.3@1435,2439
  BottomLayer w6: v1(1219,3085) 1219,3084.35 1232,3071.35 1232,2811.7 1274,2769.7 1274,2676.6 v1(1260.7,2663.31)
NetIC5_4: IC5.4 IC6.13 IC15.4 IC16.13 R27.2 | length 1136.9
  TopLayer w6: v1(1197.7,3104) 1205.7,3112 IC6.13@1344.19,3112 ; v2(1225.87,2388.98) IC5.4@1358.23,2389 ; v1(1232.52,2766) 1235.09,2763.43 1235.09,2745.42 R27.2@1243.5,2737 ; IC5.4@1358.23,2389 IC15.4@1435,2389
  BottomLayer w6: v1(1197.7,3104) 1197.7,3078.73 1188.16,3069.18 1188.16,3043.75 1194,3037.91 1194,2979.22 1210,2963.22 1210,2788.52 v1(1232.52,2766) 1232.52,2741.38 1221.17,2730.03 1221.17,2625.21 1226.38,2620.01 1226.38,2389.49 v2(1225.87,2388.98)
NetIC5_5: IC5.5 IC6.12 IC15.5 IC16.12 R28.2 | length 1214
  TopLayer w6: v2(1206.84,3162) IC6.12@1344.19,3162 ; R28.2@1245.02,2837 1245.02,2836.21 v1(1262.35,2818.89) ; v2(1268.11,2339) IC5.5@1358.23,2339 IC15.5@1435,2339
  BottomLayer w6: v2(1206.84,3162) 1206.84,3158.64 1243,3122.48 1243,2838.24 v1(1262.35,2818.89) 1293.16,2788.08 1293.16,2656.53 1249.61,2612.98 1249.61,2435.31 1268.11,2416.8 v2(1268.11,2339)
NetIC5_6: IC5.6 IC6.11 IC15.6 IC16.11 R29.2 | length 1316
  TopLayer w6: R29.2@1201.64,3030.1 v1@1201.64,3050.64 ; v1(1206,3055) v1@1201.64,3050.64 ; IC6.11@1339,3212 1205,3212 1176,3183 1176,3100 1201.64,3074.36 v1@1201.64,3050.64
  TopLayer w8: v1(1239,2323) 1254,2308 1289,2308 1308,2289 IC5.6@1358.23,2289 IC15.6@1435,2289
  BottomLayer w6: v1@1208,3054 1208,2987 1221,2974 1221,2806 1250.36,2776.64 1250.36,2737.51 1248.85,2736 1248.85,2724.85 1237.38,2713.38 1237.38,2416.62 1247,2407 1247,2370 1239,2362 v1(1239,2323)
NetIC5_11: IC5.11 IC15.11 IC21.25 | length 975.4
  TopLayer w5: IC5.11@1724.37,2289 1708.02,2289 1589.06,2289 1577,2301.06 1577,2539.35 1605.71,2568.06 1851.22,2568.06 1869.28,2550 1940,2550 1971,2581 1971,2644 1993,2666 1993,2703 1985.83,2710.17 IC21.25@1985.83,2726.73 IC21.25@1986.34,2726.22
NetIC5_12: IC5.12 IC15.12 IC21.28 | length 988.7
  TopLayer w5: IC5.12@1724.37,2339 IC15.12@1647.6,2339 1602.32,2339 1594.49,2346.83 1594.49,2446.41 1609.98,2461.91 1819.3,2461.91 1867.96,2510.57 1922.57,2510.57 1992,2580 1992,2647 2068,2723 v1(2068,2727) ; IC21.28@1985.83,2785.79 2040.21,2785.79 v1(2049,2777)
  BottomLayer w5: v1(2049,2777) 2068,2758 v1(2068,2727)
NetIC5_13: IC5.13 IC15.13 IC21.32 | length 1147.7
  TopLayer w5: IC15.13@1647.6,2389 IC5.13@1724.37,2389 1824.46,2389 1834.83,2399.37 2046.92,2399.37 2067.5,2419.95 2067.5,2610.46 2187,2729.96 v1(2187,2873) ; IC21.32@1985.83,2864.53 2036.53,2864.53 2054.34,2882.34 2073.18,2882.34 2080.53,2875 v1(2102,2875)
  BottomLayer w5: v1(2102,2875) 2104,2873 v1(2187,2873)
NetIC5_14: IC5.14 IC15.14 IC21.35 | length 1106.3
  TopLayer w5: IC15.14@1647.6,2439 IC5.14@1724.37,2439 1781.91,2439 1798.92,2421.98 2030.16,2421.98 2057.5,2449.32 2057.5,2614.6 2150,2707.1 2150,2894.14 2144,2900.14 v1(2144,2927) ; IC21.35@1985.83,2923.58 v1(2052.58,2923.58)
  BottomLayer w5: v1(2052.58,2923.58) 2056,2927 v1(2144,2927)
NetIC6_3: IC6.3 IC16.3 IC21.36 | length 770.1
  TopLayer w5: IC6.3@1556.79,3062 IC16.3@1633.56,3062 1679.59,3062 1701.04,3083.45 1701.04,3103.77 1728.5,3131.23 1881.77,3131.23 1994,3019 2070,3019 2084,3005 2084,2961 2065.66,2942.66 2010.61,2942.66 2010,2943.27 IC21.36@1985.83,2943.27
NetIC6_4: IC6.4 IC16.4 IC21.33 | length 823.1
  TopLayer w5: IC6.4@1556.79,3112 IC16.4@1633.56,3112 1686.65,3112 1718.35,3143.7 1889.3,3143.7 1986.5,3046.5 2064.5,3046.5 2100,3011 2100,2956 2078,2934 2078,2912 2059,2893 2037,2893 2028.21,2884.21 IC21.33@1985.83,2884.21
NetIC6_5: IC6.5 IC16.5 IC21.29 | length 974.1
  TopLayer w5: IC6.5@1556.79,3162 IC16.5@1633.56,3162 1636.56,3159 1894,3159 1982.5,3070.5 2069.5,3070.5 2110,3030 2110,2897 2128,2879 2128,2819 2114.47,2805.47 IC21.29@1985.83,2805.47
NetIC6_6: IC6.6 IC16.6 IC21.26 | length 1066.1
  TopLayer w5: IC6.6@1556.79,3212 IC16.6@1633.56,3212 1694.85,3212 1716.58,3190.27 1741,3190.27 1757.27,3174 1905,3174 1988.54,3090.46 2074.54,3090.46 2124,3041 2124,2906 2140,2890 2140,2793 2093.42,2746.42 IC21.26@1985.83,2746.42
NetIC6_10: IC6.10 IC7.4 IC16.10 R48.2 T10.1 T27.1 | length 1622.5
  TopLayer w6: R48.2@1147.65,3174 1147.65,3174.79 1201,3228.14 v2(1201,3259) ; v2@1202,3260 v2(1201,3259) ; IC16.10@1267.42,3262 1264.42,3259 v2(1201,3259) ; v1(1338.19,2871.6) 1338.58,2871.2 IC7.4@1338.58,2834
  TopLayer w10: IC16.10@1267.42,3262 IC6.10@1344.19,3262
  BottomLayer w6: T10.1@556.28,3377.4 831.6,3377.4 925,3284 1035,3284 1058.24,3260.76 ; T27.1@992.13,3144.99 1012.99,3144.99 1045.93,3177.93 1045.93,3248.45 1058.24,3260.76 ; v1(1338.19,2871.6) 1360.31,2893.72 1360.31,3133.97 1275.78,3218.5 1241.5,3218.5 v2(1201,3259) 1199.24,3260.76 1058.24,3260.76
NetIC7_1: IC7.1 R49.1 | length 72.1
  TopLayer w5: v1(1584,2777) 1583.64,2776.64 1583.64,2736.97 IC7.1@1586.61,2734
  BottomLayer w5: v1@1582,2775 1584,2773 1584,2749.5 R49.1@1585,2748.5
NetIC8_1: IC8.1 IC8.3 R23.2 R169.2 | length 268.8
  TopLayer w10: v1(711,1166) 711.48,1165.52 736.27,1165.52 742.2,1171.46 742.2,1172.64 750.2,1180.63 751.35,1180.63 767.91,1197.19 805.48,1197.19 IC8.1@812.29,1204 ; R169.2@735,1165.04 735.79,1165.04 742.2,1158.62 742.2,1148.91 777.92,1113.19 777.92,1110.81 784.73,1104 IC8.3@812.29,1104
  BottomLayer w10: R23.2@669.94,1166 v1(711,1166)
NetIC8_4: IC8.4 IC8.6 R22.2 R165.2 | length 289
  TopLayer w10: v1(704,1008) 733.5,1008 R165.2@735,1006.5 ; IC8.6@812.29,954 784.73,954 777.92,960.81 777.92,963.57 742.2,999.29 742.2,1000.08 735.79,1006.5 R165.2@735,1006.5 ; IC8.4@812.29,1054 784.73,1054 777.92,1047.19 777.92,1046.68 744.16,1012.91 741.42,1012.91 R165.2@735,1006.5
  BottomLayer w10: R22.2@659.45,1014 R22.2@659.45,1033.46 ; R22.2@666.94,1014 672.94,1008 v1(704,1008)
NetIC8_7: IC8.7 IC8.9 R21.2 R162.2 | length 310.3
  TopLayer w10: v1(712.6,848.28) 714.45,850.14 714.45,860.37 723.3,869.22 723.3,870 729.72,876.42 R162.2@730.5,876.42 R162.2@731.29,876.42 ; IC8.9@812.29,804 784.73,804 777.92,810.81 777.92,814.35 753.11,839.16 753.11,853.82 737.71,869.22 737.71,870 R162.2@731.29,876.42 ; IC8.7@812.29,904 758.57,904 752.71,898.14 752.71,897.84 R162.2@731.29,876.42
  BottomLayer w10: R21.2@669.94,881 669.94,876.64 687.58,859 701.88,859 v1(712.6,848.28)
NetIC8_10: IC8.10 IC8.12 R20.2 R159.2 | length 307
  TopLayer w10: v1(712.6,700.93) 724.75,713.08 727.08,713.08 R159.2@733.5,719.5 R159.2@734.28,719.5 ; IC8.12@812.29,654 784.73,654 777.92,660.81 777.92,661.32 762.92,676.32 762.92,690.07 740.7,712.29 740.7,713.08 R159.2@734.28,719.5 ; IC8.10@812.29,754 805.48,747.19 761.98,747.19 R159.2@734.28,719.5
  BottomLayer w10: R20.2@667.94,738 667.94,718.56 685.58,700.93 v1(712.6,700.93)
NetIC8_14: IC8.14 IC8.15 R30.1 | length 165.9
  TopLayer w5: IC8.14@1178.43,704 1187.74,713.31 1218.49,713.31 1238.37,733.19 1238.37,733.97 R30.1@1247.28,742.89 ; IC8.15@1178.43,754 1185.43,761 1229.96,761 1238.37,752.59 1238.37,751.81 R30.1@1247.28,742.89 ; R30.1@1248.07,742.89 R30.1@1247.28,742.89
NetIC8_17: IC8.17 IC8.18 R31.1 | length 147.9
  TopLayer w5: IC8.17@1178.43,854 1230.57,854 1247.24,870.67 1238.33,879.59 1238.33,880.37 1222.37,896.33 IC8.18@1186.11,896.33
NetIC8_19: IC8.19 IC8.20 R32.1 | length 167.9
  TopLayer w5: IC8.19@1178.43,954 1187.42,945.02 1230.75,945.02 R32.1@1248.07,962.34 1247.28,962.34 1238.37,971.26 1238.37,972.04 1215.72,994.69 1187.74,994.69 IC8.20@1178.43,1004
NetIC8_22: IC8.22 IC8.23 R33.1 | length 168.4
  TopLayer w5: IC8.22@1178.43,1104 1187.74,1094.69 1217.44,1094.69 1218.23,1093.9 1230.63,1093.9 R33.1@1248.07,1111.34 ; IC8.23@1178.43,1154 1205.99,1154 1215.3,1144.69 1215.3,1144.11 1238.37,1121.04 1238.37,1120.26 R33.1@1247.28,1111.34
NetIC8_24: IC8.24 R172.1 T29.3 T31.1 | length 1363.6
  TopLayer w5: R172.1@1092.52,586.31 1085.02,593.81 v2(1085.02,618.77) 1085.02,1060.49 1119.7,1095.18 1119.7,1188.38 1134.49,1203.17 1177.6,1203.17 IC8.24@1178.43,1204
  BottomLayer w5: T31.1@553,755 561.87,755 573.17,743.7 573.17,730.83 646,658 1024,658 1063.23,618.77 v2(1085.02,618.77) 1079.88,613.63 T29.3@1079.88,538.01
NetIC9_20: IC9.20 IC9.22 IC9.39 IC9.41 R157.1 R171.1 | length 1673.6
  TopLayer w5: v1(1745,1307) 1745,1267 1787.5,1224.5 R171.1@1788,1224.5 1790.9,1221.6 1790.9,1198 ; IC9.20@1751.53,889.17 1751.53,875.47 1790.9,836.1 IC9.22@1790.9,889.17 ; IC9.41@1751.53,1160.83 1751.53,1185.53 1764,1198 1790.9,1198 ; R157.1@1790,834.5 1761,805.5 1761,770 v1(1798,733) ; IC9.39@1790.9,1160.83 1790.9,1198 ; v1(1883,1445) 2068,1260 2068,846 v1(2064,842)
  BottomLayer w5: v1(1745,1307) v1(1883,1445) ; v1(1798,733) 1955,733 v1(2064,842)
NetIC9_25: IC9.25 IC10.11 IC17.11 | length 812
  TopLayer w5: IC10.11@1589,353.28 1814.73,353.28 1821.44,360 v1(1825,360) ; v1(1850.22,708.14) 1861.34,719.27 1861.34,913.22 IC9.25@1857.83,916.73
  BottomLayer w5: v1(1825,360) 1850.22,385.22 v1(1850.22,708.14)
NetIC9_26: IC9.26 IC11.6 IC18.6 | length 1037.2
  TopLayer w5: IC11.6@1535.7,1546 1734,1546 1799.43,1480.57 2009.66,1270.34 2009.66,999.13 1946.94,936.42 IC9.26@1857.83,936.42